# KiCad board (Eagle)PowerUnit-Bseries(ver2.0).kicad_pcb (continued)
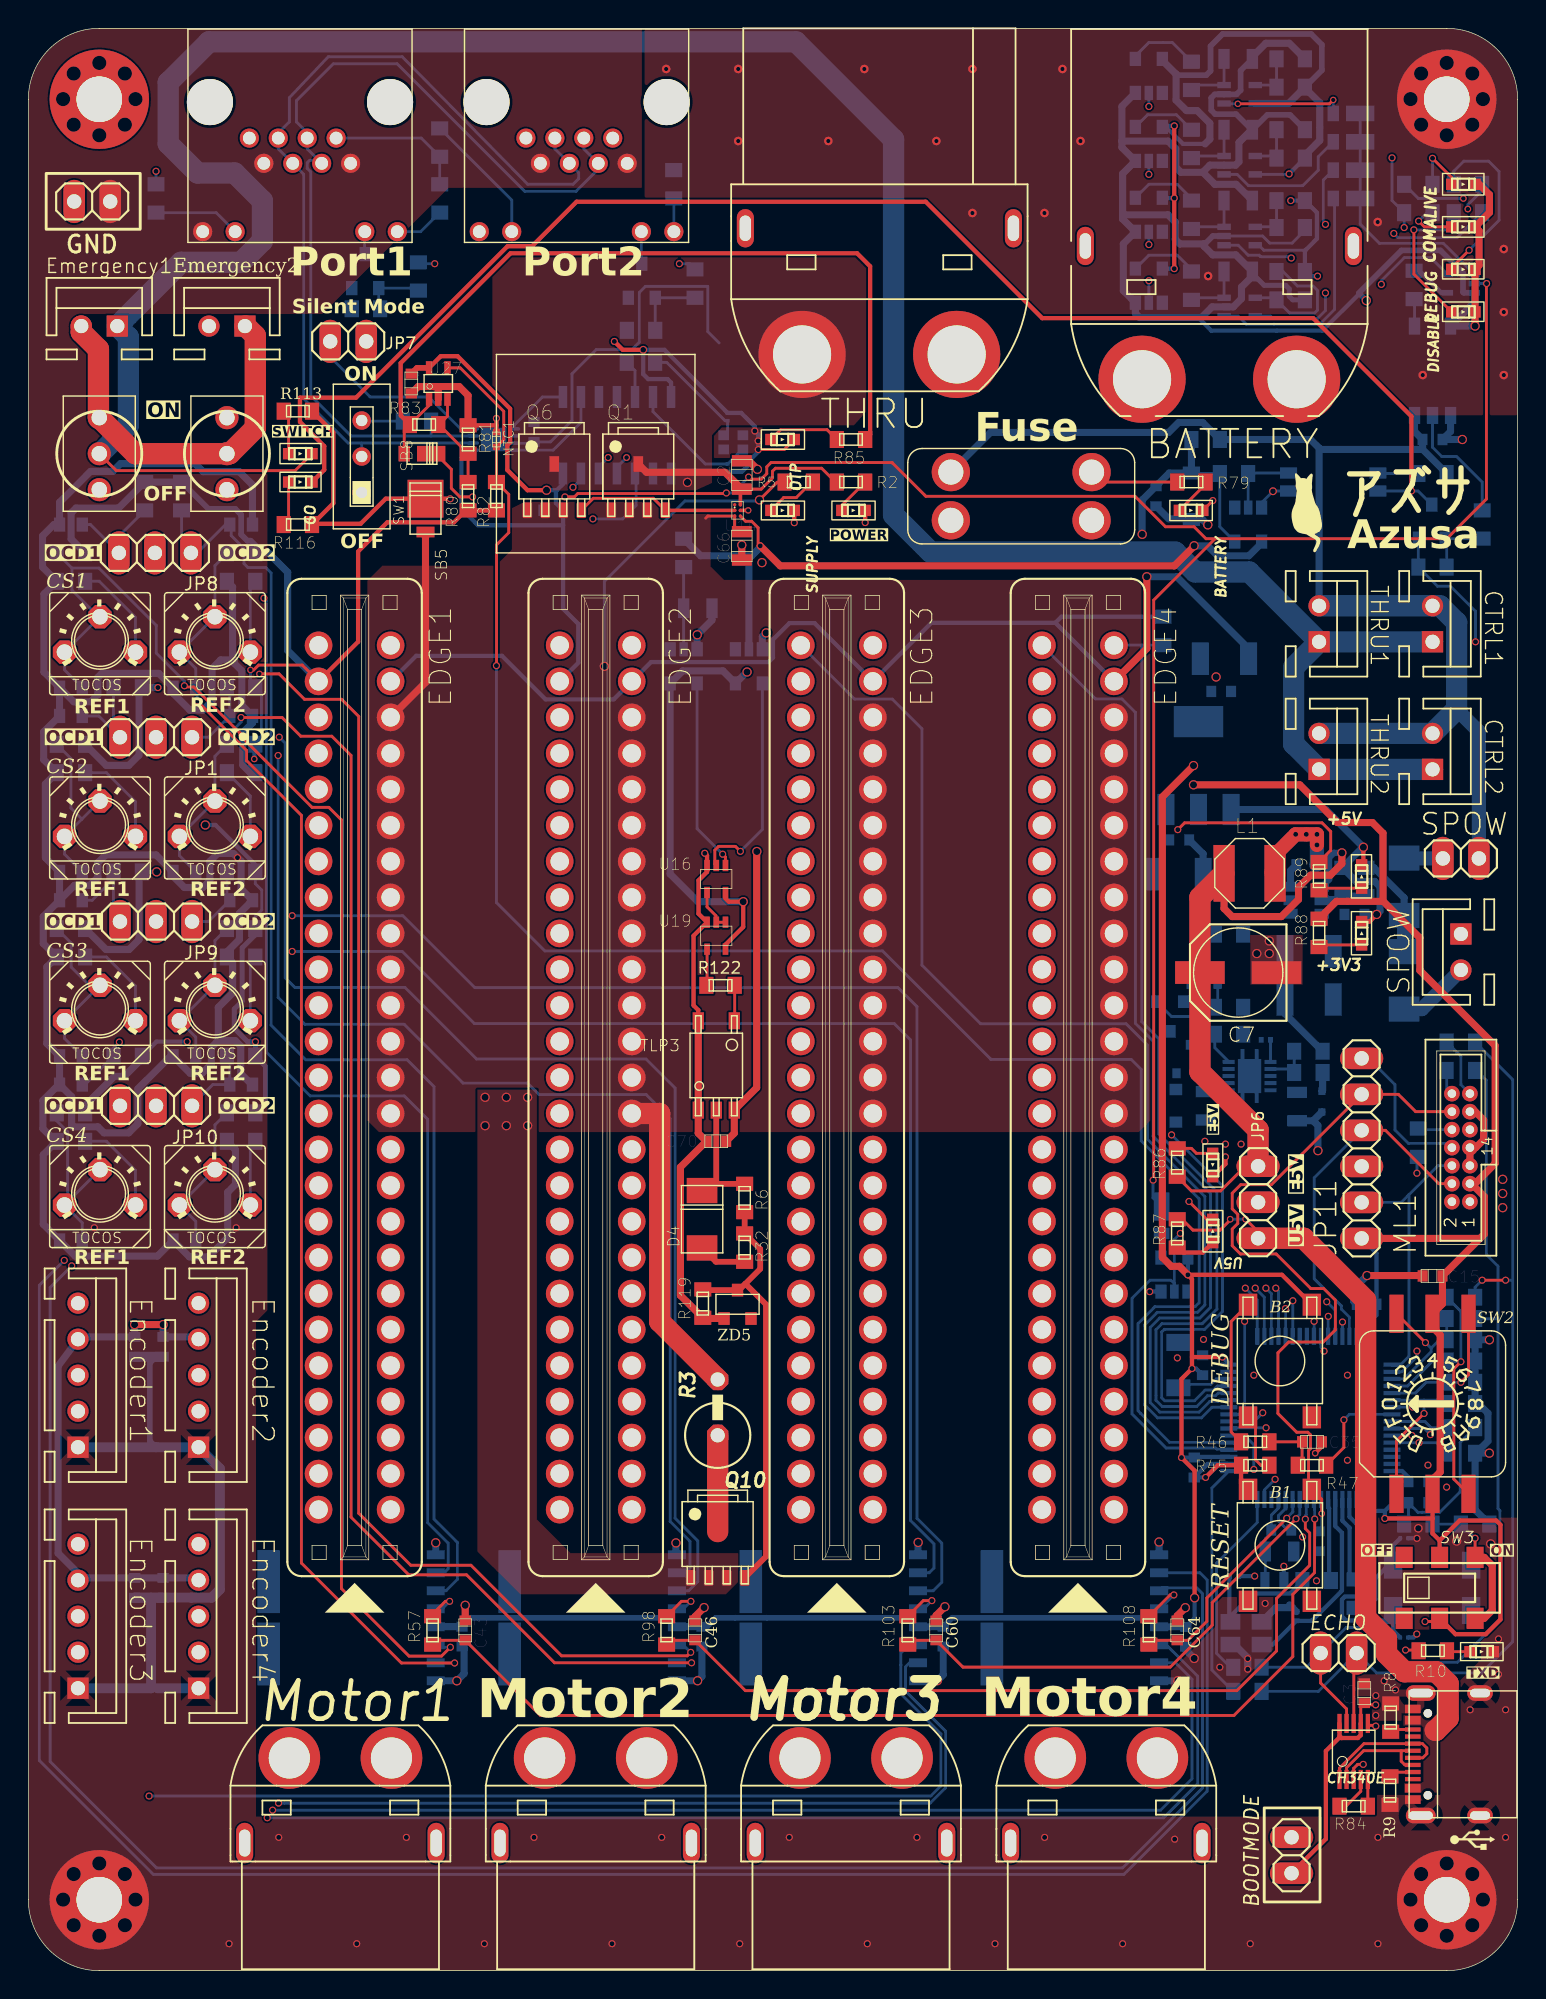
[diagram p0: board, top side]
## Footprints (pads in the part's own frame, mm; a bottom-side part is the same pattern mirrored in y, then rotated) (continued)
STM32F446XC
  rect 0.3x1.2 smd: P1(-3.75,-5.75) P2(-3.25,-5.75) P3(-2.75,-5.75) P4(-2.25,-5.75) P5(-1.75,-5.75) P6(-1.25,-5.75) P7(-0.75,-5.75) P8(-0.25,-5.75) P9(0.25,-5.75) P10(0.75,-5.75) P11(1.25,-5.75) P12(1.75,-5.75) P13(2.25,-5.75) P14(2.75,-5.75) P15(3.25,-5.75) P16(3.75,-5.75) P33(3.75,5.75) P34(3.25,5.75) P35(2.75,5.75) P36(2.25,5.75) P37(1.75,5.75) P38(1.25,5.75) P39(0.75,5.75) P40(0.25,5.75) P41(-0.25,5.75) P42(-0.75,5.75) P43(-1.25,5.75) P44(-1.75,5.75) P45(-2.25,5.75) P46(-2.75,5.75) P47(-3.25,5.75) P48(-3.75,5.75)
  rect 1.2x0.3 smd: P17(5.75,-3.75) P18(5.75,-3.25) P19(5.75,-2.75) P20(5.75,-2.25) P21(5.75,-1.75) P22(5.75,-1.25) P23(5.75,-0.75) P24(5.75,-0.25) P25(5.75,0.25) P26(5.75,0.75) P27(5.75,1.25) P28(5.75,1.75) P29(5.75,2.25) P30(5.75,2.75) P31(5.75,3.25) P32(5.75,3.75) P49(-5.75,3.75) P50(-5.75,3.25) P51(-5.75,2.75) P52(-5.75,2.25) P53(-5.75,1.75) P54(-5.75,1.25) P55(-5.75,0.75) P56(-5.75,0.25) P57(-5.75,-0.25) P58(-5.75,-0.75) P59(-5.75,-1.25) P60(-5.75,-1.75) P61(-5.75,-2.25) P62(-5.75,-2.75) P63(-5.75,-3.25) P64(-5.75,-3.75)
TC7S14F
  rect 0.8x1 smd: GND(0.95,-1.2) NC(-0.95,-1.2) OUT(0.95,1.2) VCC(-0.95,1.2)
  rect 0.6x1 smd: IN(0,-1.2)
TCK420G
  rrect 0.23x0.23 smd: GND(0.2,0) VCT(0.2,-0.4) VGATE1(-0.2,0.4) VGATE2(-0.2,0) VIN(0.2,0.4) VOUT(-0.2,-0.4)
TLP152
  rect 0.8x1.2 smd: ANODE(-1.27,0) CATHODE(1.27,0) GND(1.27,6.3) VCC(-1.27,6.3) VO(0,6.3)
TLP293
  rect 0.8x1.2 smd: ANODE(-0.635,-3.15) CATHODE(0.635,-3.15) COLLECTOR(-0.635,3.15) EMITTER(0.635,3.15)
TMBT3906
  rect 0.6x0.7 smd: B(-0.95,-1) C(0,1) E(0.95,-1)
V2P22LHM3_H
  rect 0.762x1.27 smd: A(1.175,0)
  rect 2.67x2.54 smd: C(-1.175,0)
WSON10B_TOS-RIC
  rect 0.85x0.28 smd: DVDT(-1.475,1) EFET(1.475,0.5) EN/UVLO(-1.475,0.5) ILIM(1.475,1) VIN1(-1.475,0) VIN2(-1.475,-0.5) VIN3(-1.475,-1) VOUT1(1.475,0) VOUT2(1.475,-0.5) VOUT3(1.475,-1)
  rect 1.65x2.4 smd: GND1(0,0)
  rect 0.28x0.7 smd: GND2(-0.5,1.55) GND3(0.5,1.55) GND4(-0.5,-1.55) GND5(0.5,-1.55)
XRCGB40M000F4M00R0
  rect 0.75x0.7 smd: 1(-0.675,-0.5) 2(0.675,0.5) NC1(-0.675,0.5) NC2(0.675,-0.5)
XT60PW-F
  round 4.35 hole 2.9: +(-3.6,0) -(3.6,0)
  oval 1.2x2.85 hole 0.8x1.9: P$3(-6.75,6) P$4(6.75,6)
XT90PW-F
  round 6.15 hole 4.1: +(-5.45,0) -(5.45,0)
  oval 1.2x2.7 hole 0.8x1.8: P$3(-9.45,8.9) P$4(9.45,8.9)
XT90PW-M
  round 6.15 hole 4.1: +(5.45,0) -(-5.45,0)
  oval 1.2x2.7 hole 0.8x1.8: P$3(-9.45,9.4) P$4(9.45,9.4)

## Nets
5V1: C73.P$1 R121.RIGHT R123.LEFT U16.VCC U17.VCC U18.VCC U19.VCC U21.VCC ZD1.CATHODE
+3V3: B2.1 BOOTMODE.2 C3.P$2 C11.P$1 C12.L C13.P$2 C15.P$1 C18.P$1 C19.P$1 C20.P$1 C21.P$1 C37.P$2 C38.P$2 C57.P$2 C61.P$2 C72.P$1 EDGE1.P$27 EDGE2.P$27 EDGE3.P$27 EDGE4.P$27 FB1.1 JP11.1 ML1.3 R1.RIGHT R21.LEFT R24.RIGHT R33.RIGHT R55.RIGHT R58.RIGHT R59.RIGHT R60.LEFT R63.RIGHT R64.RIGHT R65.LEFT R67.RIGHT R69.RIGHT R70.RIGHT R71.LEFT R80.LEFT R82.LEFT R88.RIGHT R96.RIGHT R99.RIGHT R101.RIGHT R104.RIGHT R106.RIGHT SW2.C1 SW2.C2 SW3.2A SW3.2B U1.P1 U1.P19 U1.P32 U1.P48 U1.P64 U2.VDD U3.3V3 U3.VCC U4.VDD U6.VDD U7.VDD U8.VDD U9.VDD U10.VCC U11.VDD U12.VDD U13.VCC U22.VCC U23.VCC U24.VDD U25.VCC U26.VCC U27.VDD U$1.VIO U$4.OUTPUT U$4.VOUT
+5V: C9.L C10.P$1 C14.P$1 C31.P$1 C32.P$1 C33.P$1 C34.P$1 Encoder1.4 Encoder2.4 Encoder3.4 Encoder4.4 Q2.S Q11.E R13.RIGHT R34.RIGHT R35.LEFT R36.LEFT R89.RIGHT RJ45_1.1 RJ45_1.7 RJ45_2.1 RJ45_2.7 U$1.VDD U$4.INPUT
PGND: BATTERY.- BATTERY#2.K C2.P$2 C65.P$2 C66.P$2 C70.P$2 C71.P$2 C73.P$2 EDGE1.P$28 EDGE1.P$29 EDGE1.P$30 EDGE1.P$31 EDGE1.P$32 EDGE1.P$33 EDGE1.P$34 EDGE1.P$35 EDGE1.P$36 EDGE1.P$37 EDGE1.P$38 EDGE1.P$39 EDGE2.P$28 EDGE2.P$29 EDGE2.P$30 EDGE2.P$31 EDGE2.P$32 EDGE2.P$33 EDGE2.P$34 EDGE2.P$35 EDGE2.P$36 EDGE2.P$37 EDGE2.P$38 EDGE2.P$39 EDGE3.P$28 EDGE3.P$29 EDGE3.P$30 EDGE3.P$31 EDGE3.P$32 EDGE3.P$33 EDGE3.P$34 EDGE3.P$35 EDGE3.P$36 EDGE3.P$37 EDGE3.P$38 EDGE3.P$39 EDGE4.P$28 EDGE4.P$29 EDGE4.P$30 EDGE4.P$31 EDGE4.P$32 EDGE4.P$33 EDGE4.P$34 EDGE4.P$35 EDGE4.P$36 EDGE4.P$37 EDGE4.P$38 EDGE4.P$39 GND.2 H1.P$1 H2.P$1 INV_SW2.2 LED1.K Q10.S1 Q10.S2 Q10.S3 R119.LEFT SUPPLY.K SW5.O THRU.- TLP1.GND TLP3.CATHODE TLP3.GND U14.GND U16.GND U17.GND U18.GND U19.GND U20.EMITTER U21.GND ZD1.ANODE ZD5.ANODE
SGND: +3V3.K +5V.K ALIVE.K B1.3 C3.P$1 C4.R C5.R C7.CATHODE C8.P$2 C9.R C10.P$2 C11.P$2 C12.R C13.P$1 C14.P$2 C15.P$2 C16.2 C17.2 C18.P$2 C19.P$2 C20.P$2 C21.P$2 C22.P$2 C23.P$2 C24.2 C26.P$2 C27.1 C28.1 C29.1 C30.1 C31.P$2 C32.P$2 C33.P$2 C34.P$2 C35.P$2 C36.P$2 C37.P$1 C38.P$1 C39.R C40.R C41.R C42.R C43.P$1 C44.R C45.R C46.P$1 C47.P$2 C48.R C49.R C50.P$2 C51.R C52.R C53.P$2 C54.R C55.R C56.P$2 C57.P$1 C58.R C59.R C60.P$1 C61.P$1 C62.R C63.R C64.P$1 C67.P$2 C68.2 C69.P$2 C72.P$2 COM.K D3.A DEBUG.K DISABLE.K EDGE1.P$24 EDGE2.P$24 EDGE3.P$24 EDGE4.P$24 Encoder1.1 Encoder2.1 Encoder3.1 Encoder4.1 GND.1 H3.P$1 H4.P$1 JP7.1 JP11.3 LED11.K ML1.5 ML1.7 ML1.11 NTC1.L OTP.K R8.LEFT R9.LEFT R11.RIGHT R12.LEFT R15.LEFT R19.LEFT R20.LEFT R22.RIGHT R29.LEFT R30.LEFT R31.LEFT R37.LEFT R38.LEFT R41.LEFT R45.RIGHT R49.RIGHT R54.LEFT R56.LEFT R61.RIGHT R66.RIGHT R72.RIGHT R75.LEFT R76.LEFT R81.RIGHT R95.LEFT R97.LEFT R100.LEFT R102.LEFT R105.LEFT R107.LEFT RJ45_1.2 RJ45_1.8 RJ45_1.LED2_K RJ45_2.2 RJ45_2.8 RJ45_2.LED2_K SB6.A SPOW.1 TLP1.CATHODE TR1.E TR2.E TXD.K U1.P12 U1.P18 U1.P31 U1.P47 U1.P63 U2.VSS U3.GND U4.VSS1 U4.VSS2 U5.GND U5V.K U6.VSS1 U6.VSS2 U7.VSS U8.VSS1 U8.VSS2 U9.VSS1 U9.VSS2 U10.GND U11.VSS U12.VSS U13.GND U15.GND1 U15.GND2 U15.GND3 U15.GND4 U15.GND5 U22.GND U23.GND U24.VSS U25.GND U26.GND U27.VSS U$1.EP U$1.VSS U$4.GND USB1.GND1 USB1.GND2 USB1.SHIELD1 USB1.SHIELD2 USB1.SHIELD3 USB1.SHIELD4 X2.2 X2.4
VCC: C2.P$1 C65.P$1 C70.P$1 CTRL1.2 CTRL2.2 FUSE1.L1 FUSE1.L2 Q1.D Q6.D R2.LEFT R4.LEFT R113.LEFT R116.LEFT R123.RIGHT SB5.C SPOW#2.1 THRU.+ THRU1.2 THRU2.2 TLP1.VCC TLP3.VCC U14.VIN
ALIVE_LED: R42.RIGHT U1.P45
BOOT0: BOOTMODE.1 R11.LEFT U1.P60
CAN_H: R7.RIGHT RJ45_1.5 RJ45_1.6 RJ45_2.5 RJ45_2.6 U$1.CANH
CAN_L: RJ45_1.3 RJ45_1.4 RJ45_2.3 RJ45_2.4 SW1.C U$1.CANL
COM_LED: R39.RIGHT R40.RIGHT R43.RIGHT U1.P44
CS: U1.P33 U2.NCS
CS1_OCD1: C44.L JP8.3 R58.LEFT U4.OCD1
CS1_OCD2: C45.L JP8.1 R59.LEFT U4.OCD2
CS1_REF1: C41.L R1.LEFT TP1.CENTER TP1.LEFT U4.REF1
CS1_REF2: C42.L R55.LEFT TP2.CENTER TP2.LEFT U4.REF2
CS2_OCD1: C48.L JP1.3 R24.LEFT U6.OCD1
CS2_OCD2: C49.L JP1.1 R33.LEFT U6.OCD2
CS2_REF1: C39.L R67.LEFT TP3.CENTER TP3.LEFT U6.REF1
CS2_REF2: C40.L R96.LEFT TP4.CENTER TP4.LEFT U6.REF2
CS3_OCD1: C51.L JP9.3 R63.LEFT U8.OCD1
CS3_OCD2: C52.L JP9.1 R64.LEFT U8.OCD2
CS3_REF1: C58.L R99.LEFT TP5.CENTER TP5.LEFT U8.REF1
CS3_REF2: C59.L R101.LEFT TP6.CENTER TP6.LEFT U8.REF2
CS4_OCD1: C54.L JP10.3 R69.LEFT U9.OCD1
CS4_OCD2: C55.L JP10.1 R70.LEFT U9.OCD2
CS4_REF1: C62.L R104.LEFT TP7.CENTER TP7.LEFT U9.REF1
CS4_REF2: C63.L R106.LEFT TP8.CENTER TP8.LEFT U9.REF2
CURRENT1: C43.P$2 R57.LEFT U1.P8
CURRENT2: C46.P$2 R98.LEFT U1.P9
CURRENT3: C60.P$2 R103.LEFT U1.P10
CURRENT4: C64.P$2 R108.LEFT U1.P11
DEBUG_BT: R47.RIGHT U1.P56
DEBUG_LED: R44.RIGHT U1.P43
DEBUG_SW: R50.RIGHT U1.P57
DIP_SW1: R41.RIGHT SW2.1 U1.P54
DIP_SW2: R31.RIGHT SW2.2 U1.P53
DIP_SW3: R25.RIGHT R30.RIGHT SW2.4 U1.P52
DIP_SW4: R26.RIGHT R29.RIGHT SW2.8 U1.P51
DIR1: EDGE1.P$26 U1.P24
DIR2: EDGE2.P$26 U1.P25
DIR3: EDGE3.P$26 U1.P26
DIR4: EDGE4.P$26 U1.P27
DISABLE: R90.RIGHT U1.P20 U22.IN
E5V: C7.ANODE JP6.3 L1.R R86.RIGHT U5.FB
EMERGENCY: R120.RIGHT U14.VCT U18.IN U21.OUT
ENC1_A: Encoder1.3 U1.P41
ENC1_B: Encoder1.5 U1.P42
ENC2_A: Encoder2.3 U1.P22
ENC2_B: Encoder2.5 U1.P23
ENC3_A: Encoder3.3 U1.P58
ENC3_B: Encoder3.5 U1.P59
ENC4_A: Encoder4.3 U1.P37
ENC4_B: Encoder4.5 U1.P38
IN1: EDGE1.P$6 EDGE1.P$7 EDGE1.P$8 EDGE1.P$9 EDGE1.P$10 EDGE1.P$11 EDGE1.P$40 EDGE1.P$41 EDGE1.P$42 EDGE1.P$43 EDGE1.P$44 U4.IN
IN2: EDGE2.P$6 EDGE2.P$7 EDGE2.P$8 EDGE2.P$9 EDGE2.P$10 EDGE2.P$11 EDGE2.P$40 EDGE2.P$41 EDGE2.P$42 EDGE2.P$43 EDGE2.P$44 U6.IN
IN3: EDGE3.P$6 EDGE3.P$7 EDGE3.P$8 EDGE3.P$9 EDGE3.P$10 EDGE3.P$11 EDGE3.P$40 EDGE3.P$41 EDGE3.P$42 EDGE3.P$43 EDGE3.P$44 U8.IN
IN4: EDGE4.P$6 EDGE4.P$7 EDGE4.P$8 EDGE4.P$9 EDGE4.P$10 EDGE4.P$11 EDGE4.P$40 EDGE4.P$41 EDGE4.P$42 EDGE4.P$43 EDGE4.P$44 U9.IN
IP1: Motor1.- U4.IP
IP2: MOTER.- U6.IP
IP3: Motor3.- U8.IP
IP4: CON4.- U9.IP
MISO: U1.P35 U2.SDO
MOSI: U1.P36 U2.SDI
N$1: R57.RIGHT U4.VOUT
N$2: R56.RIGHT TP2.RIGHT
N$3: R5.RIGHT SUPPLY.A
N$4: EDGE1.P$1 EDGE1.P$2 EDGE1.P$3 EDGE1.P$4 EDGE1.P$5 EDGE1.P$45 EDGE1.P$46 EDGE1.P$47 EDGE1.P$48 EDGE1.P$49 EDGE1.P$50 Motor1.+
N$5: EDGE2.P$1 EDGE2.P$2 EDGE2.P$3 EDGE2.P$4 EDGE2.P$5 EDGE2.P$45 EDGE2.P$46 EDGE2.P$47 EDGE2.P$48 EDGE2.P$49 EDGE2.P$50 MOTER.+
N$6: EDGE3.P$1 EDGE3.P$2 EDGE3.P$3 EDGE3.P$4 EDGE3.P$5 EDGE3.P$45 EDGE3.P$46 EDGE3.P$47 EDGE3.P$48 EDGE3.P$49 EDGE3.P$50 Motor3.+
N$7: GO.A R116.RIGHT
N$8: R74.LEFT R75.RIGHT U15.EN/UVLO
N$9: JP8.2 U10.IN
N$10: CON4.+ EDGE4.P$1 EDGE4.P$2 EDGE4.P$3 EDGE4.P$4 EDGE4.P$5 EDGE4.P$45 EDGE4.P$46 EDGE4.P$47 EDGE4.P$48 EDGE4.P$49 EDGE4.P$50
N$11: Q10.D R3.1
N$12: R77.LEFT TLP1.VO
N$13: R54.RIGHT TP1.RIGHT
N$14: R77.RIGHT R115.RIGHT TR3.B
N$16: GO.K TR3.C U20.CATHODE
N$17: LED1.A R2.RIGHT
N$18: R60.RIGHT R61.LEFT U11.IN-
N$19: Emergency1.2 INV_SW2.1 SW4.O SW5.P
N$20: C67.P$1 D3.C JP6.2 R74.RIGHT U15.VIN1 U15.VIN2 U15.VIN3
N$21: CTRL1.1 CTRL2.1 Emergency1.1 LED3.K R115.LEFT SW4.P THRU1.1 THRU2.1 TR3.E
N$22: U16.INB U17.OUT
N$23: R7.LEFT SW1.R
N$24: LED3.A R113.RIGHT
N$25: BATTERY.+ FUSE1.R1 FUSE1.R2 R79.LEFT
N$26: Q1.G Q6.G U14.VGATE2
N$27: U2.TXCAN U$1.TXD
N$28: U2.RXCAN U$1.RXD
N$29: R8.RIGHT USB1.CC2
N$30: R9.RIGHT USB1.CC1
N$31: U3.UD+ USB1.DP1 USB1.DP2
N$32: U3.UD- USB1.DN1 USB1.DN2
N$33: R10.RIGHT U3.TNOW
N$34: R10.LEFT TXD.A
N$35: D1.A SPOW#2.2
N$36: R18.LEFT R19.RIGHT U5.EN
N$37: D2.A SPOW.2
N$38: R14.LEFT U2.OSC2
N$39: C17.1 U2.OSC1 X1.1
N$40: C6.P$2 L1.L U5.SW
N$41: C6.P$1 U5.BST
N$42: C16.1 R14.RIGHT X1.2
N$43: R21.RIGHT R22.LEFT U7.IN-
N$44: R16.LEFT U1.P16
N$45: R17.LEFT U1.P17
N$46: C22.P$1 C23.P$1 FB1.2 U1.P13
N$47: Q11.B Q12.B Q12.C R12.RIGHT
N$48: C24.1 U1.P30
N$49: C27.2 U1.P5 X2.1
N$50: R28.RIGHT U1.P4
N$51: R13.LEFT RJ45_1.LED2_A
N$52: R27.RIGHT U1.P6
N$53: R34.LEFT RJ45_2.LED2_A
N$54: C28.2 R27.LEFT X2.3
N$55: R87.LEFT U5V.A
N$56: C30.2 R28.LEFT X3.1
N$57: C29.2 U1.P3 X3.4
N$58: ALIVE.A R42.LEFT
N$59: COM.A R43.LEFT
N$60: DEBUG.A R44.LEFT
N$61: B2.4 R45.LEFT
N$62: B2.3 R46.LEFT
N$63: R48.LEFT R49.LEFT SW3.3A SW3.3B
N$64: ML1.13 R51.LEFT
N$65: C36.P$1 R48.RIGHT R50.LEFT
N$66: ML1.14 R52.RIGHT
N$67: ML1.10 R53.RIGHT
N$68: JP7.2 U$1.S
N$69: R35.RIGHT RJ45_1.LED1_A
N$70: R36.RIGHT RJ45_2.LED1_A
N$71: RJ45_1.LED1_K TR1.C
N$72: RJ45_2.LED1_K TR2.C
N$73: R38.RIGHT R40.LEFT TR2.B
N$74: R37.RIGHT R39.LEFT TR1.B
N$75: C69.P$1 Q2.D Q12.E SB6.C U15.VOUT1 U15.VOUT2 U15.VOUT3
N$76: C50.P$1 R62.LEFT U11.IN+
N$77: SB2.A U11.OUT
N$78: C47.P$1 R23.LEFT U7.IN+
N$79: R95.RIGHT TP3.RIGHT
N$80: R97.RIGHT TP4.RIGHT
N$81: R98.RIGHT U6.VOUT
N$82: R100.RIGHT TP5.RIGHT
N$83: JP1.2 U23.IN
N$84: R65.RIGHT R66.LEFT U12.IN-
N$85: C53.P$1 R68.LEFT U12.IN+
N$86: SB3.A U12.OUT
N$87: JP9.2 U13.IN
N$88: R68.RIGHT U13.OUT
N$89: R71.RIGHT R72.LEFT U24.IN-
N$90: C56.P$1 R73.LEFT U24.IN+
N$91: SB4.A U24.OUT
N$92: R78.LEFT U26.OUT
N$93: C71.P$1 R120.LEFT U17.IN
N$94: R4.RIGHT U20.ANODE
N$95: D4.C R6.LEFT TLP3.VO
N$96: Q10.G R6.RIGHT R32.RIGHT R119.RIGHT ZD5.CATHODE
N$97: SB1.A U7.OUT
N$98: R102.RIGHT TP6.RIGHT
N$99: R103.RIGHT U8.VOUT
N$100: R105.RIGHT TP7.RIGHT
N$101: R107.RIGHT TP8.RIGHT
N$102: R108.RIGHT U9.VOUT
N$103: Q2.G Q11.C R20.RIGHT
N$104: C35.P$1 R46.RIGHT R47.LEFT
N$105: R23.RIGHT U10.OUT
N$106: R122.LEFT U19.OUT
N$107: U16.INA U18.OUT
N$108: U16.OUT U19.INA U19.INB
N$109: R121.LEFT U20.COLLECTOR U21.IN
N$110: R122.RIGHT TLP3.ANODE
N$111: C66.P$1 EDGE1.P$12 EDGE1.P$13 EDGE1.P$14 EDGE1.P$15 EDGE1.P$16 EDGE1.P$17 EDGE1.P$18 EDGE1.P$19 EDGE1.P$20 EDGE1.P$21 EDGE1.P$22 EDGE1.P$23 EDGE2.P$12 EDGE2.P$13 EDGE2.P$14 EDGE2.P$15 EDGE2.P$16 EDGE2.P$17 EDGE2.P$18 EDGE2.P$19 EDGE2.P$20 EDGE2.P$21 EDGE2.P$22 EDGE2.P$23 EDGE3.P$12 EDGE3.P$13 EDGE3.P$14 EDGE3.P$15 EDGE3.P$16 EDGE3.P$17 EDGE3.P$18 EDGE3.P$19 EDGE3.P$20 EDGE3.P$21 EDGE3.P$22 EDGE3.P$23 EDGE4.P$12 EDGE4.P$13 EDGE4.P$14 EDGE4.P$15 EDGE4.P$16 EDGE4.P$17 EDGE4.P$18 EDGE4.P$19 EDGE4.P$20 EDGE4.P$21 EDGE4.P$22 EDGE4.P$23 Q1.S1 Q1.S2 Q1.S3 Q6.S1 Q6.S2 Q6.S3 R3.2 R5.LEFT SB5.A U14.VOUT
N$112: D4.A R32.LEFT
N$113: R62.RIGHT U23.OUT
N$114: JP10.2 U25.IN
N$115: R73.RIGHT U25.OUT
N$116: R76.RIGHT U15.ILIM
N$117: C68.1 U15.DVDT
N$118: R78.RIGHT TLP1.ANODE
N$119: SB7.A U22.OUT
N$120: BATTERY#2.A R79.RIGHT
N$121: R84.RIGHT U3.RTS#
N$122: R80.RIGHT R81.LEFT R83.LEFT U27.IN+
N$123: R84.LEFT U3.CTS#
N$124: OTP.A R85.RIGHT
N$125: LED11.A R86.LEFT
N$126: R83.RIGHT R85.LEFT SB8.A U27.OUT
N$127: DISABLE.A R90.LEFT
N$129: +5V.A R89.LEFT
N$130: +3V3.A R88.LEFT
NRST: B1.1 C26.P$1 JP11.5 ML1.12 U1.P7
PWM1: EDGE1.P$25 R53.LEFT U1.P50
PWM2: EDGE2.P$25 U1.P15
PWM3: EDGE3.P$25 U1.P29
PWM4: EDGE4.P$25 R15.RIGHT U1.P28
SCK: U1.P34 U2.SCK
SHUTDOWN: SB1.C SB2.C SB3.C SB4.C SB7.C SB8.C U26.INA U26.INB
SWCLK: JP11.2 ML1.6 U1.P49
SWDIO: JP11.4 ML1.4 U1.P46
SWO: JP11.6 ML1.8 U1.P55
THERMAL: NTC1.R R82.RIGHT U1.P21 U27.IN-
U5V: JP6.1 R87.RIGHT USB1.VBUS1 USB1.VBUS2
USART_RX: ECHO.1 R17.RIGHT R25.LEFT R51.RIGHT U3.TXD
USART_TX: ECHO.2 R16.RIGHT R26.LEFT R52.LEFT U3.RXD
V+: C4.L C5.L C8.P$1 D1.C D2.C R18.RIGHT U5.VIN

Pads without a net: B1 2 4; B2 2; BATTERY P$3 P$4; CON4 P$3 P$4; Encoder1 2; Encoder2 2; Encoder3 2; Encoder4 2; ML1 1 2 9; MOTER P$3 P$4; Motor1 P$3 P$4; Motor3 P$3 P$4; SW1 L; SW3 1A 1B; SW4 S; SW5 S; THRU P$3 P$4; U1 P2 P14 P39 P40 P61 P62; U2 CLKO/SOF INT INT0/GPIO0 INT1/GPIO1; U10 NC; U13 NC; U14 VGATE1; U15 EFET; U17 NC; U18 NC; U21 NC; U22 NC; U23 NC; U25 NC; USB1 SBU1 SBU2; X1 NC1 NC2; X3 2 3; ZD5 NC

## Via types
v1: diameter 0.502, hole 0.35, Top to Bottom, 181 vias
v2: diameter 0.652, hole 0.5, Top to Bottom, 61 vias
v3: diameter 0.472, hole 0.32, Top to Bottom, 4 vias
v4: diameter 0.462, hole 0.31, Top to Bottom, 5 vias
v5: diameter 0.482, hole 0.33, Top to Bottom, 1 via
v6: diameter 0.457, hole 0.305, Top to Bottom, 3 vias
v7: diameter 0.6, hole 0.3, Top to Bottom, 17 vias
v8: diameter 0.552, hole 0.4, Top to Bottom, 2 vias
v9: diameter 1.152, hole 1, Top to Bottom, 32 vias
v10: diameter 0.602, hole 0.45, Top to Bottom, 1 via

## Routing (per net, layer and track width the routed paths; a pad name or vN(x,y) marks a point on that pad's centre or on a via; arc(x,y) is an arc through that point)
5V1: length 83.6
  Top w0.3: U16.VCC 49.15,75.63 49.38,75.4 v2(50.4,75.4) 50.4,73.62 49.15,72.37 U19.VCC
  In1.Cu w0.5: v2(78.53,101.31) 76.53,99.31 v2(51.72,99.31)
  In2.Cu w0.5: v2(51.72,99.31) 50.67,98.26 v2(50.67,91.6)
  Bottom w0.2: 82.04,105.6 R121.RIGHT 84,101.85 U21.VCC
  Bottom w0.5: v2(50.4,75.4) 47.2,75.4 45.25,77.35 U17.VCC 46.13,91.68 48.97,91.68 U18.VCC 50.65,91.6 v2(50.67,91.6) ; 82.04,105.6 ZD1.CATHODE ; ZD1.CATHODE 80.44,105.64 C73.P$1 78.53,103.73 v2(78.53,101.31) ; ZD1.CATHODE R123.LEFT
+3V3: length 687.5
  Top w0.2: v1(98.47,24.63) 99.28,24.63 SW3.2B ; U3.VCC 93.94,18.62 C3.P$2 94.31,18.75 94.99,18.75 v1(94.99,18.75) ; EDGE1.P$27 19.31,92.09 16.23,92.09 15.89,91.75 v4(15.66,91.75)
  Top w0.3: 82.04,43.28 v1(82.04,42.47) 81.3,41.73 v1(81.3,36.19) 82.23,35.27 v2(82.23,26.3) ; 82.04,43.28 v1(84.18,43.28) ; 82.04,43.28 82.04,48.79 v1(81.75,49.08) 88.39,49.08 B2.1 ; 92.59,16.41 92.4,16.41 91.48,15.49 91.48,9.29 BOOTMODE.2 ; 92.59,16.41 92.44,16.56 U3.3V3 ; 92.59,16.41 93.74,16.41 93.94,16.61 93.94,17.43 U3.VCC ; SW2.C1 99,31.89 ; 99,31.89 99,30.84 99.5,30.34 ; 99,31.89 v1(95.64,31.89) ; 99.5,30.34 100.91,31.75 103.49,31.75 103.79,31.45 103.79,24.77 102.75,23.73 100.62,23.73 SW3.2B ; 99.5,30.34 SW3.2A ; v1(80.79,130.12) 80.79,130.12 v1(80.79,125.03) v1(80.79,120.05) ; U27.VDD 29.08,113.88 30.26,113.88 33.97,110.17 33.97,107.8 33.77,107.61 33.77,105.85 35.2,104.42 v2(36.53,104.42) ; EDGE1.P$27 20.46,90.95 23.25,93.73 23.25,100.1 25.31,102.16 30,102.16 30.84,103 R80.LEFT R82.LEFT
  Top w0.4: C72.P$1 27.4,113.05 U27.VDD
  Top w0.5: v2(82.15,83.64) 89.64,83.64 92.3,80.98 94.76,80.98 95.51,80.23 95.51,75.42 ; R88.RIGHT 92.22,75.42 95.51,75.42 ; v1(81.75,49.08) 81.15,49.68 80.58,49.68 79.95,50.31 79.95,82.79 82.15,84.99 v2(82.15,85) ; JP11.1 102.35,51.65 ; 102.35,51.65 102.65,51.95 102.65,54.6 101.74,55.51 ML1.3 102,55.51 103.41,56.93 103.41,65.25 98.1,70.56 98.1,72.85 95.53,75.42 95.51,75.42 ; 102.35,51.65 C15.P$1 99.7,47.03 SW2.C2 99,45.38 99.54,44.84 99.54,35.17 99,34.63 SW2.C1
  In1.Cu w0.2: v1(95.39,118.94) 94.85,118.4 94.83,118.4 ; v1(98.47,24.63) 98.47,24.63 97.53,24.63 96.48,23.58 96.48,20.6 95.88,20 95.88,19.35 95.27,18.75 v1(94.99,18.75)
  In1.Cu w0.3: v1(16.01,65.52) 16,65.53 v1(11.2,65.53) ; v2(12.48,80.81) 12.47,80.81 ; 12.47,80.81 13.34,80.81 15.93,83.39 v4(15.93,85.46) ; 12.47,80.81 11.62,81.66 10.22,81.66 9.05,80.5 9.05,77.51 v2(9.05,77.5) ; EDGE4.P$27 67.35,95.05 58.57,95.05 EDGE3.P$27 50.2,95.2 37.05,95.2 35.98,94.13 35.98,92.17 37.21,90.94 EDGE2.P$27 37.43,90.91 31.76,90.91 30.46,92.21 24.42,92.21 21.61,95.02 20.12,95.02 19.19,94.09 19.19,92.21 EDGE1.P$27 ; 91.27,119.52 91.45,119.52 v1(91.45,118.34) ; 91.27,119.52 93.7,119.52 95.78,117.44 95.78,101.36 93.48,99.06 91.54,99.06 v2(83.74,91.25) ; 91.27,119.52 90.93,119.52 v1(90.89,119.52) ; v1(89,124.85) 89,126.62 v1(88.89,126.73)
  In2.Cu w0.2: v4(15.66,91.75) 10.38,91.75 v1(9.13,90.5)
  In2.Cu w0.3: v1(88.52,28.52) 88.48,28.49 84.42,28.49 v2(82.23,26.3) ; v2(83.74,91.25) 82.77,92.22 72.74,92.22 EDGE4.P$27
  Bottom w0.2: R101.RIGHT 16,74.35 16.45,74.81 16.45,76.22 16,76.67 R64.RIGHT ; 89.99,121.3 89.94,121.35 87.1,121.35 86.75,121.7 U12.VDD ; v1(95.39,118.94) 95.39,119.21 97.01,120.83 98.87,120.83 U26.VCC ; 79.97,125.03 U13.VCC ; U24.VDD 87.58,116.7 87.76,116.53 90.88,116.53 91.45,117.1 v1(91.45,118.34) ; U11.VDD 88.86,126.7 ; R96.RIGHT 16.43,86.93 16.43,90.07 R33.RIGHT 16,90.65 15.66,90.99 v4(15.66,91.75)
  Bottom w0.3: v1(81.75,49.08) U22.VCC ; U2.VDD 37.69,104.85 37.26,104.42 ; C18.P$1 82.32,42.47 v1(82.04,42.47) ; JP11.1 95.05,50.6 C20.P$1 95.05,46.25 94.14,45.34 U1.P48 ; 82.97,128.85 81.4,128.85 80.2,130.05 U23.VCC 80.02,130.12 v1(80.79,130.12) ; v2(12.48,80.81) 13.19,80.81 15.97,78.03 15.97,77.53 R64.RIGHT ; v4(15.93,85.46) 15.93,85.47 15.93,86.43 R96.RIGHT ; R69.RIGHT 9.03,65.53 v1(11.2,65.53) ; R63.RIGHT 9.04,77.5 v2(9.05,77.5) ; v1(89,124.85) R65.LEFT 90.85,124 90.85,122.16 90.05,121.36 ; 89.99,121.3 90.05,121.36 ; 90.05,121.36 90,121.31 R71.LEFT 90.33,119.52 v1(90.89,119.52) ; U1.P32 84.64,42.82 v1(84.18,43.28) ; C61.P$2 82.23,24.87 v2(82.23,26.3) ; 37.26,104.42 37.2,104.36 37.2,103.51 C13.P$2 37.7,101.95 ; 37.26,104.42 v2(36.53,104.42) ; 37.7,101.95 37.7,96.06 38.77,94.99 38.77,92.25 EDGE2.P$27 ; 37.7,101.95 31.69,101.95 30.53,103.11 30.53,106.74 31.04,107.25 U$1.VIO ; U25.VCC v1(80.79,120.05) ; v1(81.3,36.19) C19.P$1 82.25,36.24 U1.P19 ; v1(88.52,28.52) 88.52,27.53 FB1.1 ; R60.LEFT 88.89,126.74 v1(88.89,126.73) 88.86,126.7 ; v1(80.79,125.03) 79.97,125.03 ; U1.P1 94.14,32.64 94.35,32.43 95.64,32.43 ; 95.64,32.43 96.39,33.18 96.39,34.15 96.74,34.5 97.3,34.5 C21.P$1 97.3,34.8 96.86,35.24 U1.P64 ; 95.64,32.43 v1(95.64,31.89)
  Bottom w0.35: R101.RIGHT 16,73.07 15.08,72.14 15.08,68.39 14.52,67.83 14.52,66.45 15.45,65.52 v1(16.01,65.52) 16.01,64.51 R70.RIGHT 16.72,63.78 16.72,61.22 R106.RIGHT
  Bottom w0.4: R21.LEFT 91.2,134.05 91.2,135.85 90.45,136.6 84.2,136.6 83.35,135.75 83.35,134 83.05,133.7 80.99,133.7 ; C38.P$2 47.85,24.26 48.47,24.89 49.81,24.89 49.81,24.89 52.06,24.89 52.06,24.89 61.96,24.89 62.6,24.25 U8.VDD ; 79.58,24.25 U9.VDD 79.56,24.25 78.95,24.86 78.95,24.86 ; U6.VDD 45.58,24.25 44.95,24.89 31.21,24.89 C37.P$2 ; R59.RIGHT 12.7,103.1 14.59,103.1 15,102.69 15,101.3 15.44,100.86 15.68,100.86 16,100.54 R55.RIGHT ; 78.95,24.89 65.14,24.89 C57.P$2
  Bottom w0.5: R67.RIGHT 5.49,85.01 7.08,85.01 7.8,85.73 7.8,90.3 R24.RIGHT 9.13,90.5 v1(9.13,90.5) ; C38.P$2 45.73,24.26 U6.VDD ; 89.98,132.82 91.05,131.75 91.05,129.1 90,128.05 R60.LEFT ; 89.98,132.82 R21.LEFT ; 89.98,132.82 88.85,131.7 U7.VDD ; U8.VDD 62.73,24.26 C57.P$2 ; C37.P$2 28.73,24.26 U4.VDD ; 80.92,133.77 80.92,131.93 81.65,131.2 82.4,131.2 83.3,130.3 83.3,129.18 82.97,128.85 ; 80.92,133.77 79.95,134.74 U10.VCC ; 80.92,133.77 80.99,133.7 ; R69.RIGHT 8,64.32 6.76,63.08 6.06,63.08 4,61.02 R104.RIGHT ; R55.RIGHT 16.92,100 18.28,98.64 18.28,93.12 EDGE1.P$27 ; C61.P$2 81.59,24.25 U9.VDD ; R59.RIGHT R58.RIGHT 6.37,103.17 3.36,103.17 3.02,102.82 3.02,100.98 R1.RIGHT ; R99.RIGHT 5.47,72.03 7.1,72.03 7.8,72.73 7.8,77.3 R63.RIGHT ; U23.VCC 79.98,130.05
+5V: length 216.3
  Top w0.2: v1(81.04,80.48) 81.52,80.96 91.21,80.96 91.82,80.35 91.82,79.02 R89.RIGHT
  Top w0.5: v2(7.49,45.57) v2(9.5,45.57)
  In1.Cu w0.2: 9.03,127.68 9,127.65 v1(9,126.92)
  In1.Cu w0.5: RJ45_1.1 14,127.68 3.01,127.68 0.98,125.65 0.98,47.06 Encoder1.4
  In1.Cu w1.5: RJ45_2.7 41.2,129.52 39.82,130.9 36.46,130.9 35.08,129.52 RJ45_2.1 35.08,129.2 21.7,129.2 RJ45_1.7 21.7,129.79 20.54,130.95 16.65,130.95 15.58,129.88 RJ45_1.1
  Bottom w0.2: R13.RIGHT v1(9,126.92) ; R35.LEFT 29,127.92 29.02,127.94 27.7,129.26 RJ45_1.7 ; U$1.VDD 34.27,107.73 35.55,107.73 C14.P$1 36.82,107.83 38.33,109.34 38.33,112.63 40.04,114.34 42.55,114.34 43.08,114.87 43.08,118.38 43.5,118.8 47.9,118.8 47.9,115.61 48.7,114.81
  Bottom w0.5: v2(7.49,45.57) 7.5,45.56 C32.P$1 3.66,44.7 Encoder1.4 2.09,42.63 2.09,29.45 4,27.54 4.16,27.7 C31.P$1 C34.P$1 11.84,27.7 Encoder4.4 ; v2(9.5,45.57) C33.P$1 11.84,44.7 Encoder2.4
  Bottom w1: U$4.INPUT 80.15,81.85
PGND: length 57.4
  Top w0.2: v1(83.51,103.69) 82.81,103 BATTERY#2.K 82.8,103
  Top w0.25: U14.GND 50.75,103
  Top w0.3: TLP3.CATHODE 47.23,67.75 46.9,68.08 46.9,73 U19.GND 47.25,74.55 47.25,76.9 47.85,77.5 U16.GND 47.85,78.65 v1(47.69,78.81) ; 50.75,103 v6(50.75,103) ; LED1.K v1(59,102.14) ; SUPPLY.K v1(54,102.13)
  Top w0.5: C2.P$2 50.8,106.5 v2(51.4,105.9) ; C66.P$2 v2(50.3,100.55) ; TLP3.CATHODE TLP3.GND 47.23,59.07 C70.P$2 45.97,56.67 45.97,47.63 R119.LEFT 47.6,46 ZD5.ANODE
  Bottom w0.2: U20.EMITTER 87.77,104.37 v8(87.75,104.35) 86.95,103.55 U21.GND
  Bottom w0.5: v2(52.02,94.36) 51.75,94.09 U18.GND ; U17.GND 47.15,94.22 v2(47.16,94.23) 48.2,95.27 C71.P$2 ; v2(83.16,101.98) 82.77,102.37 ZD1.ANODE 81.96,102.41 80.39,102.41 C73.P$2 ; TLP1.GND 100.27,108.57 C65.P$2 v2(101.1,108)
  vias: v2(32.2,61.6) v2(32.2,59.6) v2(33.7,61.6) v2(33.7,59.6) v2(35.2,61.6) v2(35.2,59.6) v7(44.97,134.13) v7(50.05,134.13) v7(50.05,129.05) v7(56.4,129.05) v7(58.94,134.13) v7(64.02,129.05) v7(66.56,134.13) v7(66.56,123.97) v7(71.64,123.97) v7(72.91,134.13) v7(74.18,129.05) v7(83.18,119.53) v7(95.13,123.34) v7(98.31,112.54) v7(104.02,121.43) v7(104.02,116.99) v7(104.02,112.54) v9(2.45,132.01) v9(3.2,133.81) v9(3.2,130.21) v9(5,134.56) v9(5,129.46) v9(6.8,133.81) v9(6.8,130.21) v9(7.55,132.01) v9(97.45,132.01) v9(98.2,133.81) v9(98.2,130.21) v9(100,134.56) v9(100,129.46) v9(101.8,133.81) v9(101.8,130.21) v9(102.55,132.01)
SGND: length 655.9
  Top w0.2: OTP.K 53.29,107.29 v1(51.46,107.29) ; v1(94.11,14.55) 93.72,14.55 93.44,14.27 U3.GND ; v1(81.83,54.25) 83.08,53 U5V.K
  Top w0.3: v1(83,34.79) 83.86,35.65 R45.RIGHT 85.5,34.37 85.57,34.37 B1.3 ; v1(41.32,114.92) 41.91,114.33 v8(43.35,114.33) ; +5V.K 94.13,78.12 v2(94.13,79.24) ; v4(90.73,36.5) 90.73,36.5 91.2,36.98 C35.P$2 ; LED11.K 84.4,56.9 v1(84.4,57.4) ; +3V3.K 94.56,74 v2(95.06,74.5) ; v1(33,109.49) 33,109.49 33,109 ; 33,109 R81.RIGHT ; 33,109 NTC1.L
  Top w0.5: v2(81.57,25.6) 81,25.03 C64.P$1 ; v2(78.86,98.32) 78.86,93.26 EDGE4.P$24 ; v2(30.8,25.77) C43.P$1 ; 28.6,111.73 27.48,111.73 C72.P$2 ; 28.6,111.73 30.37,111.73 31,111.11 R81.RIGHT ; 28.6,111.73 28.79,111.73 28.9,111.62 U27.VSS ; C46.P$1 47,24.97 v2(47.64,25.61) ; ML1.11 102.01,60.59 102.6,60 102.6,58.6 102.05,58.05 ML1.7 ML1.5 ; ALIVE.K 102.29,126 103.01,125.27 103.01,124.01 COM.K 102.28,122.72 102.28,120.28 DEBUG.K DISABLE.K v2(102,116) ; v2(94.38,49.03) 98.27,49.03 C15.P$2 ; v2(64.62,25.67) 64,25.05 C60.P$1
  Top w1.5: C7.CATHODE 87.2,70.4
  In1.Cu w0.5: v2(94.33,117.8) 95.07,117.06 95.07,101.53 93.25,99.72 80.26,99.72 v2(78.86,98.32)
  In1.Cu w1: SPOW.1 103.96,70.16 103.96,53.83 v2(103.95,53.82)
  Bottom w0.2: 88.64,32.6 88.14,32.1 88.14,31.72 88.78,31.08 C22.P$2 ; U12.VSS 87.02,122.35 87.52,121.85 89.1,121.85 90,122.75 ; C28.1 85.33,27.83
  Bottom w0.3: v1(79.06,47.89) 79.07,47.9 U22.GND ; C29.1 97.65,23.5 v1(97.89,23.74) ; v1(97.9,30.49) 97.94,30.5 C30.1 ; U1.P12 88.64,32.6 ; R15.LEFT 72.84,95.5 72.41,95.07 ; 82.64,116.43 83.4,115.67 88,115.67 88,115.68 91.23,115.68 93.8,118.25 93.8,118.33 ; U2.VSS 45.31,112.01 45.06,112.26 43.7,112.26 43.35,112.61 v8(43.35,114.33) 44.85,114.33 C16.2 50.26,109.88 51.22,108.91 v1(51.22,108.6) 51.46,108.36 v1(51.46,107.29) 51.46,107.14 50.82,106.5 50.82,106.24 50.3,105.73 50.1,105.73 50.1,105.73 C17.2 ; 72.41,95.07 EDGE4.P$24 ; 72.41,95.07 63.67,95.07 EDGE3.P$24 55.43,95.05 53.66,95.05 52.5,93.89 52.5,92.61 52.19,92.3 43.9,92.3 EDGE2.P$24 41.27,89.67 36.47,89.67 33.39,92.74 27.34,92.74 EDGE1.P$24 ; v1(83,34.79) C19.P$2 83.15,35.74 U1.P18 ; v1(86.46,27.83) 85.33,27.83
  Bottom w0.35: 86.3,119.56 C56.P$2 86.3,119.7 87.13,118.88 88.65,118.88 88.9,118.62 88.9,118.09 89.14,117.85 R72.RIGHT
  Bottom w0.4: R61.RIGHT 88.96,130.89 87.34,130.89 C50.P$2 ; v2(94.33,117.8) 93.8,118.33 96.81,121.34 99.56,121.34 101.15,119.74 101.15,118.4 101.2,118.4 101.2,118.35 U26.GND ; 82.95,121.8 83.5,122.35 U12.VSS ; 9,36.92 8.57,37.35 8.57,42.87 9,43.3 ; 90,122.75 R66.RIGHT ; C47.P$2 85.47,134.02 85.47,132.63 85.19,132.35 U7.VSS 83.65,132.35 83.4,132.1 83.4,131.22 83.67,130.95 85.15,130.95 86.25,129.85
  Bottom w0.5: C50.P$2 86.25,129.85 85.35,128.95 85.35,127.59 85.12,127.35 U11.VSS 83.3,127.35 82.8,126.85 ; C5.R 88.6,67.5 R75.LEFT ; 86.04,93.14 86.04,93.25 80.97,98.32 v2(78.86,98.32) ; U4.VSS2 v2(30.21,20.44) 30.22,20.44 30.73,20.95 30.73,22.72 C37.P$1 ; U9.VSS2 81.04,20.44 v2(81.05,20.45) ; C27.1 89.12,25.6 ; 89.12,25.6 87.95,25.6 X2.4 ; 89.12,25.6 88.92,25.8 ; 77.15,123.85 80.35,123.85 80.86,123.34 80.86,122.12 81.19,121.79 81.2,121.8 82.9,121.8 ; 77.15,123.85 77.15,123.55 U13.GND 77.2,121.8 77.2,118.5 U25.GND 78.05,116.9 78.35,116.6 82.71,116.6 83.46,117.35 84.61,117.35 ; 77.15,123.85 77.15,126.75 U23.GND 77.1,128.6 77.1,129.05 ; C57.P$1 64.5,20.87 v2(64.09,20.45) 64.08,20.44 U8.VSS2 ; 13.39,65.6 12.9,65.11 12.9,63.95 12.25,63.3 11.4,63.3 C59.R 10.02,64.5 7.72,62.2 7.72,59.74 7.08,59.1 5.33,59.1 4.9,59.52 3.12,59.52 3.05,59.59 3.05,61.65 C54.R ; 13.39,65.6 13.39,67.94 14.4,68.95 14.4,71.1 R102.LEFT 14,71.85 14.88,72.73 14.88,74.58 C52.R 15,76.3 15,78.25 14.45,78.8 13.35,78.8 12.8,78.25 12.8,76.9 12.3,76.4 11,76.4 10.2,77.2 C40.R 9,78.7 5.45,78.7 4.9,78.15 4.9,77.11 4.34,76.55 3.25,76.55 C51.R ; 13.39,65.6 14.58,65.6 14.98,65.21 14.98,63.27 15.75,62.5 C55.R ; U26.GND 101.95,117.68 TLP1.CATHODE v2(102,116) ; v2(79.72,30.24) 79.73,30.23 U9.VSS1 ; R22.RIGHT 88.9,135.95 87.25,135.95 86.3,135 C47.P$2 ; 14.5,92.45 13.55,92.45 12.95,91.85 12.95,89.55 12.31,88.91 11.39,88.91 10.2,90.1 C42.R 9.2,91.5 5.18,91.5 4.9,91.22 4.9,90 4.4,89.5 3.2,89.5 C41.R ; 14.5,92.45 14.5,92.23 15.05,91.68 15.05,89.25 C49.R 15.8,88 15.11,87.32 15.11,85.04 15.65,84.5 R97.LEFT ; 14.5,92.45 14.4,92.55 14.4,97.6 R56.LEFT ; C53.P$2 85.15,126 83.65,126 82.8,126.85 ; 77.1,129.05 80.35,129.05 80.9,128.5 80.9,127.2 81.25,126.85 82.8,126.85 ; 77.1,129.05 77.1,131.5 U10.GND ; R11.RIGHT 102,32.5 R49.RIGHT ; R11.RIGHT 103,36.5 v2(103,36.5) ; R11.RIGHT 102.06,36.5 102.91,37.35 102.91,39.31 102.22,40 R41.LEFT R31.LEFT R30.LEFT R29.LEFT 103.01,44.5 v2(103.01,44.5) ; U24.VSS 84.95,117.35 85.53,117.93 85.53,118.75 86.3,119.52 C56.P$2 85.13,121.03 83.5,121.03 82.9,121.62 82.9,121.8 ; C41.R C48.R 1.08,87.38 1.08,85.42 R95.LEFT 1.2,83.7 1.2,78.5 C39.R C51.R ; C41.R 1.1,91.6 1.1,97.1 R54.LEFT 1,99 1,101.2 1.8,102 C44.R 2.2,103.56 4.39,105.75 5.95,105.75 6.49,106.29 11.76,106.29 12.32,105.73 14.87,105.73 15.8,104.8 C45.R ; C67.P$2 90.58,59.95 ; 90.58,59.95 D3.A ; 90.58,59.95 90.92,59.61 v2(90.92,57.84) ; v2(28.72,30.18) 28.73,30.17 U4.VSS1 ; v2(45.66,30.17) 45.66,29.34 U6.VSS1 ; C38.P$1 47.49,20.75 v2(47.18,20.45) 47.18,20.44 U6.VSS2 ; v2(62.73,30.2) 62.73,30.2 U8.VSS1 ; C54.R 2.15,62.5 1.02,61.37 1.02,59.39 1.92,58.5 R105.LEFT 1.05,57.55 1.05,52.65 C62.R 3.3,50.4 9.1,50.4 C63.R 11.35,50.35 12.7,50.35 14.05,51.7 14.05,54.9 14.6,55.45 14.6,57.9 R107.LEFT ; C54.R C58.R 1.3,65.4 1.3,70.8 R100.LEFT 1.05,72.45 1.05,74.35 C51.R ; U$4.GND 91.47,81.9 v2(94.13,79.24) 94.08,79.24 92.68,77.84 R19.LEFT 92.68,77.76 93.61,76.83 94.93,76.83 95.3,76.46 95.3,74.74 v2(95.06,74.5) C8.P$2 ; v1(85.97,21.26) 85.97,22.07 85.04,23 X2.2 ; C10.P$2 82.83,78.77 C9.R ; 82.9,121.8 82.95,121.8 ; v2(82.2,22.02) 81.6,22.61 C61.P$1 ; v2(94.38,49.03) 93.43,48.08 93.43,47.22 C20.P$2
  Bottom w0.7: 8.65,26.3 C31.P$2 7.51,26.31 11.49,26.31 11.49,26.31 12.93,26.31 13.5,26.88 13.5,35.42 Encoder2.1 4,36.92 ; 8.65,26.3 C34.P$2 ; 8.65,26.3 8.65,19.92 4,19.92 ; C33.P$2 C32.P$2 ; 9.1,19.92 Encoder4.1
  vias: v1(4.65,52.4) v1(14.15,1.9) v1(14.74,78.51) v1(14.65,52.4) v1(17.65,9.4) v1(23.15,1.9) v1(26.65,9.4) v1(32.15,1.9) v1(35.65,9.4) v1(41.15,1.9) v1(44.65,9.4) v1(50.15,1.9) v1(51.45,107.9) v1(53.65,9.4) v1(59.15,1.9) v1(62.65,9.4) v1(68.15,1.9) v1(71.65,9.4) v1(77.15,1.9) v1(80.82,9.27) v1(81.01,43.22) v1(82.85,44.52) v1(82.95,58.5) v1(84,21.4) v1(84.4,58.3) v1(85.5,58.3) v1(85.97,22) v1(86.15,1.9) v1(86.4,42) v1(87.2,25.9) v1(89.84,30.59) v1(90.82,27.5) v1(93,42) v1(93,36) v1(95,19.4) v1(95,18) v1(95.15,9.4) v1(95.15,1.9) v1(95.59,20.44) v1(96.39,19.8) v1(98.68,35.66) v1(99.99,34.11) v1(101.65,18.4) v1(103.65,23.4) v1(103.65,20.9) v1(104.15,18.4) v1(104.15,9.4) v2(86.61,71.74) v2(87.49,72.63) v2(87.49,71.74) v2(100.7,30.3) v2(103.1,30.1) v2(103.95,55.82) v2(103.95,54.82) v9(2.45,5.01) v9(3.2,6.81) v9(3.2,3.21) v9(5,7.56) v9(5,2.46) v9(6.8,6.81) v9(6.8,3.21) v9(7.55,5.01) v9(97.45,5.01) v9(98.2,6.81) v9(98.2,3.21) v9(100,7.56) v9(100,2.46) v9(101.8,6.81) v9(101.8,3.21) v9(102.55,5.01) v10(98,31.2)
VCC: length 205.2
  Top w0.2: 56.9,105 55.93,105.97 52.67,105.97 52.46,105.76 52.46,105.29 51.67,104.5 C2.P$1
  Top w0.25: U14.VIN 50.2,104.4
  Top w0.3: R113.LEFT 21.5,108.5 21.5,103.5 R116.LEFT 20.05,102.05 23.42,102.05 25.2,103.83 SB5.C 29.73,103.83 v1(29.74,103.82) ; 50.2,104.4 C2.P$1 ; 56.9,105 R2.LEFT
  Top w0.5: C2.P$1 49.11,105.69 43.58,105.69 Q1.D ; C70.P$1 49.77,59.07 TLP3.VCC 51.35,62.28 51.35,78.93 v2(51.36,78.94)
  In1.Cu w0.3: v1(29.74,103.82) 39.66,113.73 54.99,113.73
  In2.Cu w0.5: v2(51.36,78.94) 48.86,81.44 48.86,102.53 46.47,104.92 v2(46.47,104.97)
  Bottom w0.5: 91,107.4 90.4,108 R123.RIGHT 82.8,109.2 81.1,109.2 80.4,108.5 67.84,108.5 FUSE1.L1 ; 91,107.4 THRU1.2 ; 91,107.4 91.1,107.3 98.3,107.3 ; TLP1.VCC 97.73,108.57 C65.P$1 98.3,107.3 ; 98.3,107.3 R4.LEFT
  Bottom w1: SPOW#2.1 102.27,87.4 100.7,88.97
  Bottom w1.5: THRU2.2 CTRL2.2 100.7,88.97 100.7,95.1 99.53,96.27 CTRL1.2 THRU1.2
